# KiCad board Zx50 Bus Probe_RevA.kicad_pcb
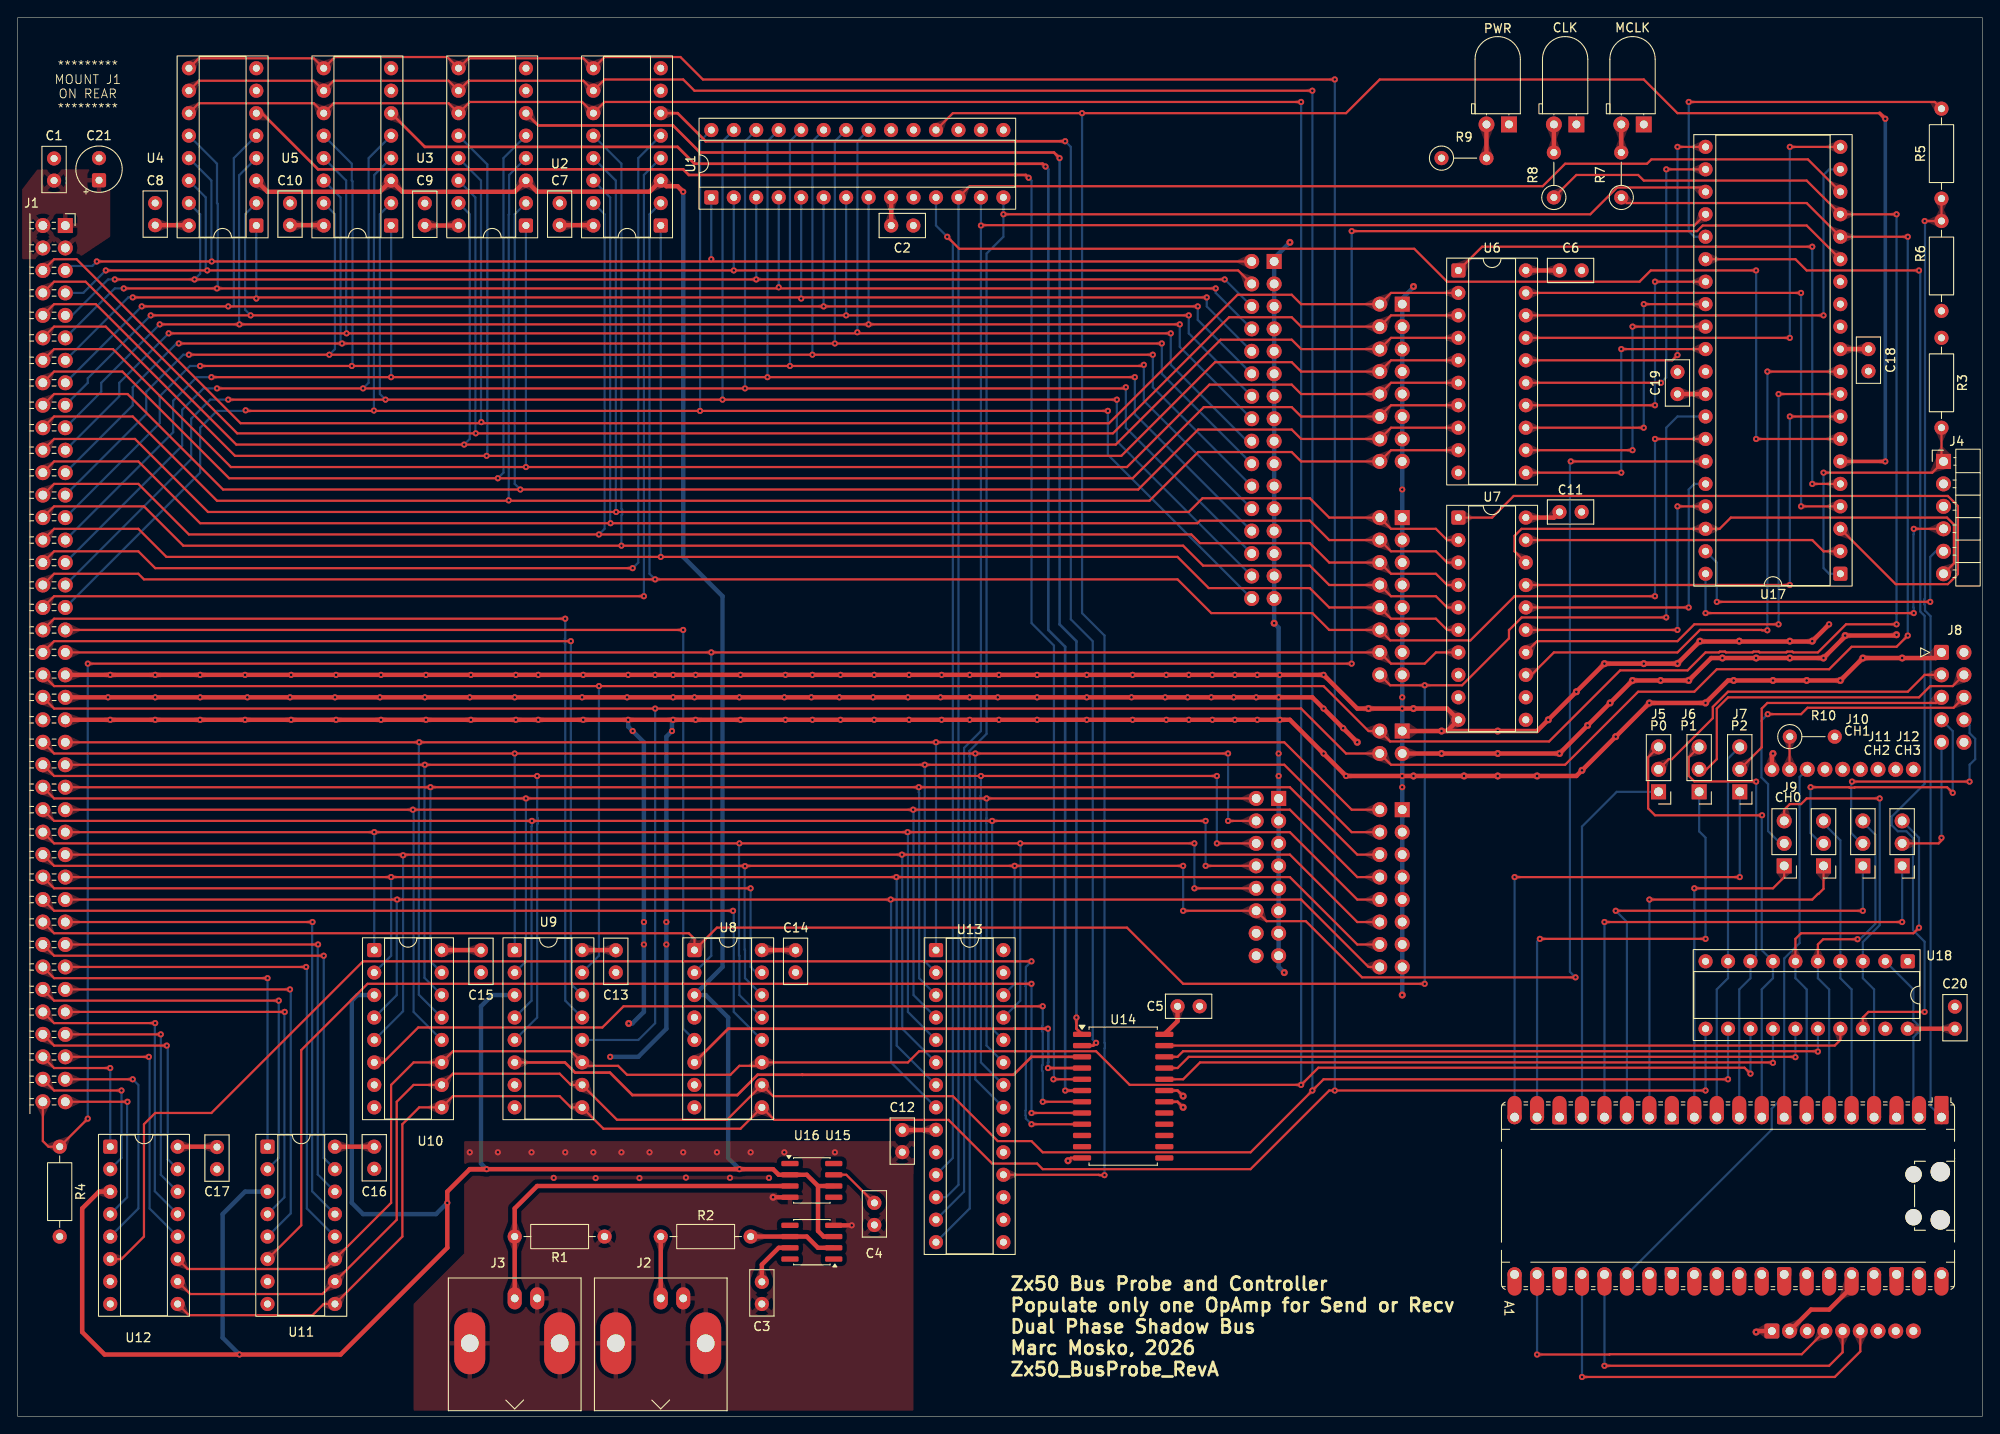
[diagram p0: board, top side]
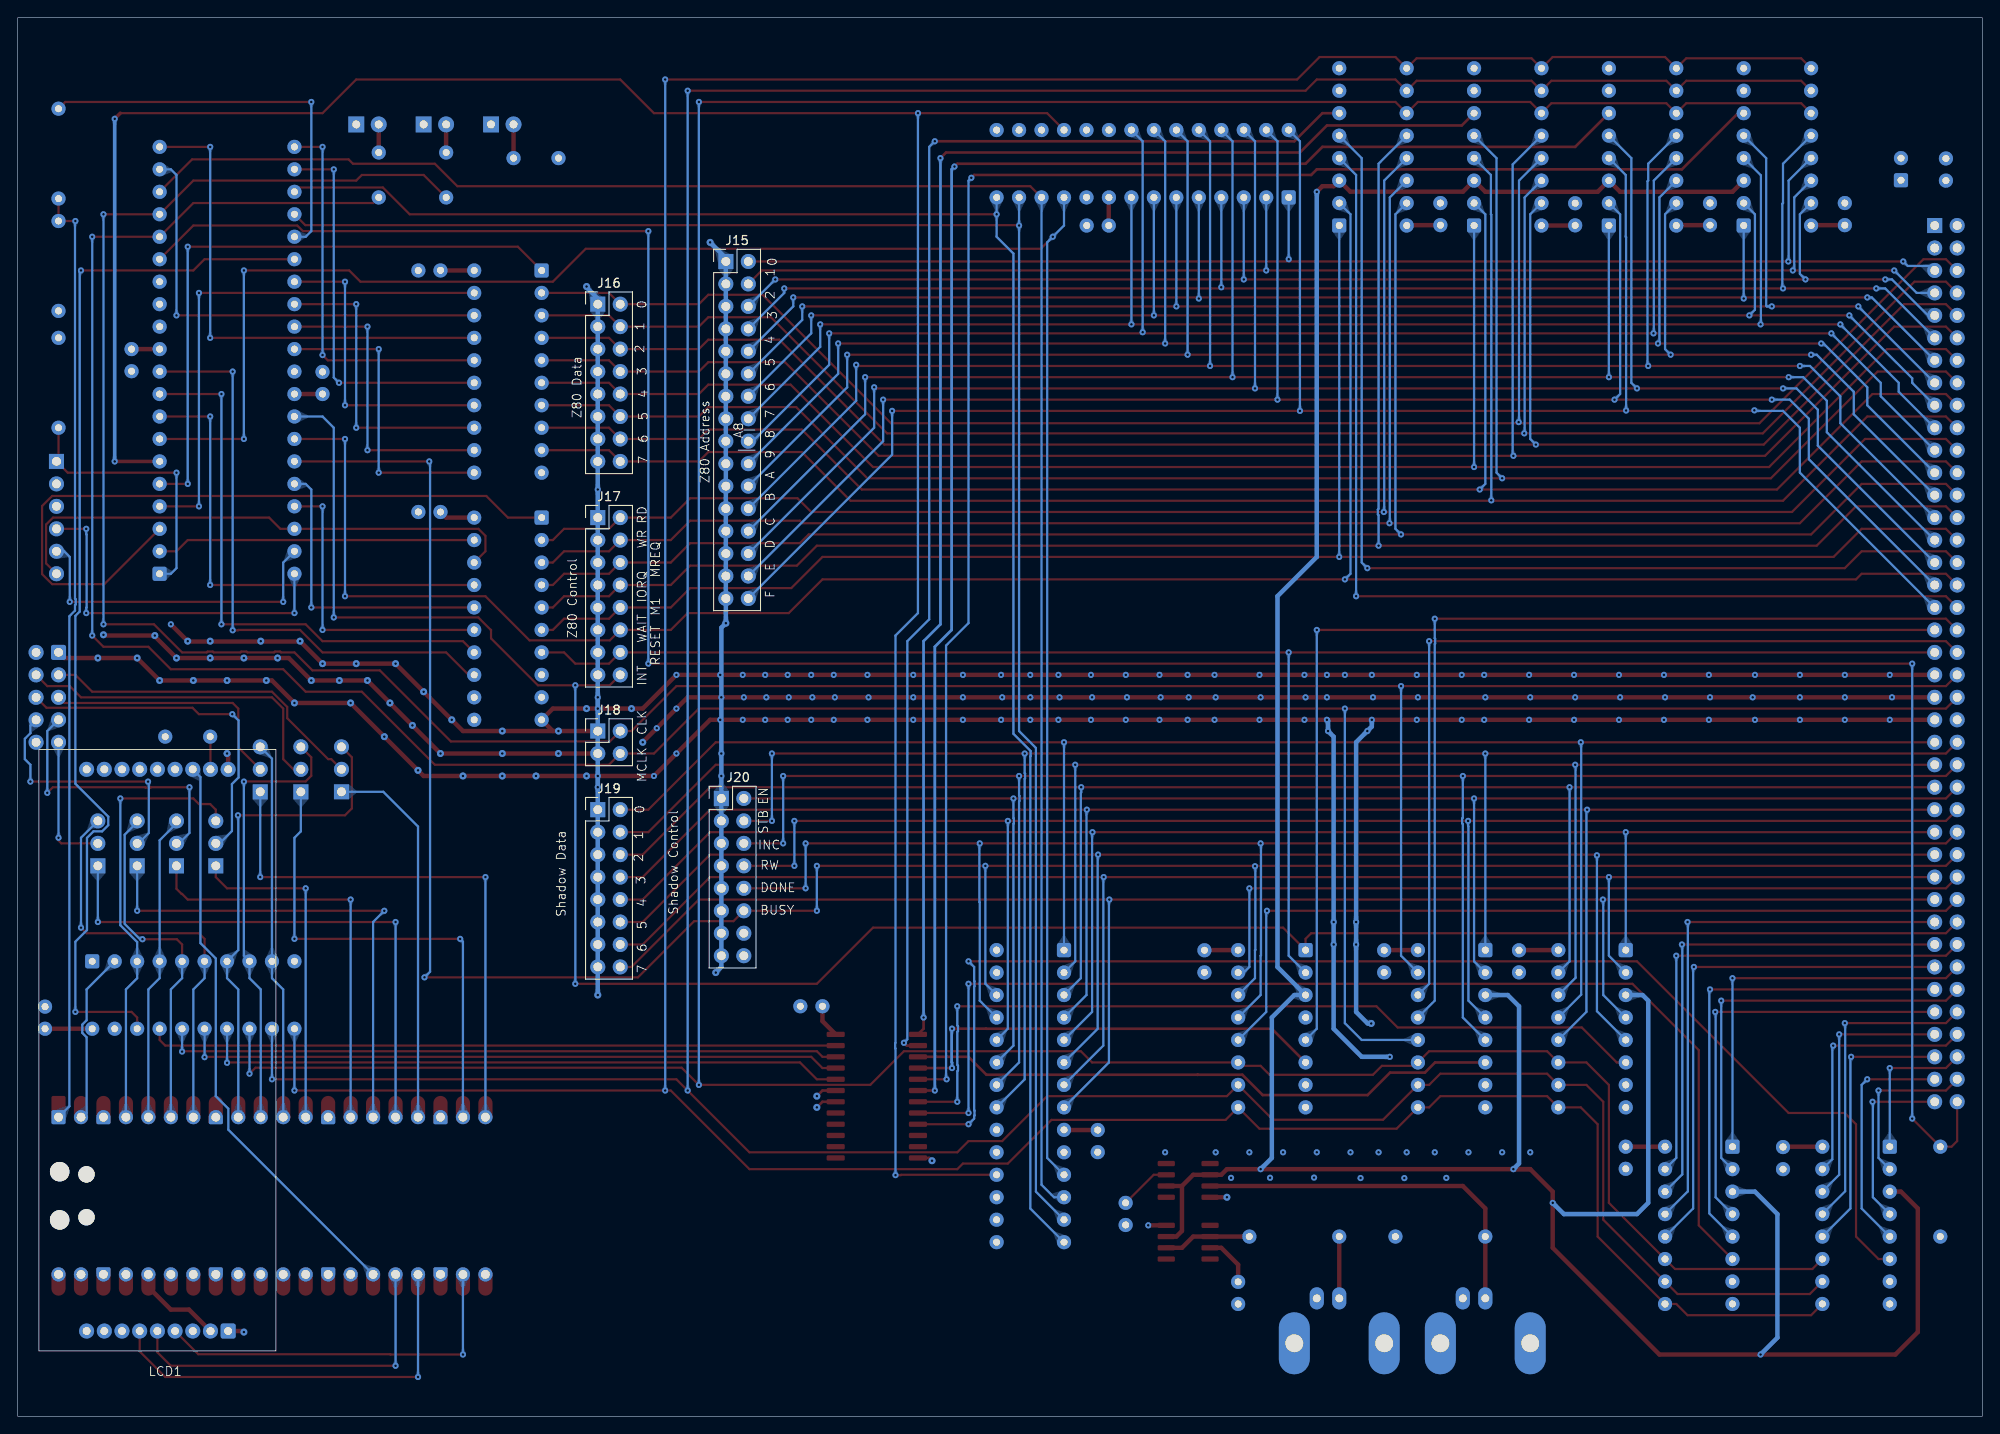
[diagram p1: board, bottom side, seen from below]

Outline 222.09 x 158.11 mm; copper layers: Top, GND (plane), +5 (plane), Bottom. Coordinates in mm from the lower left corner of the outline.
Outline path: rectangle 0,158.11 222.09,0
Stack: Top 0.035mm / dielectric 0.1mm FR4 er 4.5 / GND 0.035mm / dielectric 1.24mm FR4 er 4.5 / +5 0.035mm / dielectric 0.1mm FR4 er 4.5 / Bottom 0.035mm

## Placement (name value [footprint] x y rotation side)
A1  RaspberryPi_Pico  [RaspberryPi_Pico_Common_Unspecified]  193.34 24.93 270 top
C1  .1uF  [C_Disc_D5.0mm_W2.5mm_P2.50mm]  4.11 139.7 90 top
C2  .1uF  [C_Disc_D5.0mm_W2.5mm_P2.50mm]  98.75 134.62 0 top
C3  .1uF  [C_Disc_D5.0mm_W2.5mm_P2.50mm]  84.12 15.2 270 top
C4  .1uF  [C_Disc_D5.0mm_W2.5mm_P2.50mm]  96.84 24.13 270 top
C5  .1uF  [C_Disc_D5.0mm_W2.5mm_P2.50mm]  133.61 46.35 180 top
C6  .1uF  [C_Disc_D5.0mm_W2.5mm_P2.50mm]  174.29 129.54 0 top
C7  .1uF  [C_Disc_D5.0mm_W2.5mm_P2.50mm]  61.26 137.16 270 top
C8  .1uF  [C_Disc_D5.0mm_W2.5mm_P2.50mm]  15.54 137.16 270 top
C9  .1uF  [C_Disc_D5.0mm_W2.5mm_P2.50mm]  46.02 137.14 270 top
C10  .1uF  [C_Disc_D5.0mm_W2.5mm_P2.50mm]  30.78 137.16 270 top
C11  .1uF  [C_Disc_D5.0mm_W2.5mm_P2.50mm]  174.29 102.23 0 top
C12  .1uF  [C_Disc_D5.0mm_W2.5mm_P2.50mm]  100 32.36 270 top
C13  .1uF  [C_Disc_D5.0mm_W2.5mm_P2.50mm]  67.61 50.18 90 top
C14  .1uF  [C_Disc_D5.0mm_W2.5mm_P2.50mm]  87.93 50.18 90 top
C15  .1uF  [C_Disc_D5.0mm_W2.5mm_P2.50mm]  52.37 50.18 90 top
C16  .1uF  [C_Disc_D5.0mm_W2.5mm_P2.50mm]  40.31 27.98 90 top
C17  .1uF  [C_Disc_D5.0mm_W2.5mm_P2.50mm]  22.53 27.94 90 top
C18  .1uF  [C_Disc_D5.0mm_W2.5mm_P2.50mm]  209.22 120.65 270 top
C19  .1uF  [C_Disc_D5.0mm_W2.5mm_P2.50mm]  187.63 115.57 90 top
C20  .1uF  [C_Disc_D5.0mm_W2.5mm_P2.50mm]  219 46.31 270 top
C21  10uF  [CP_Radial_Tantal_D5.0mm_P2.50mm]  9.19 139.74 90 top
D1  MCLK  [LED_D5.0mm_Horizontal_O1.27mm_Z3.0mm]  183.82 146.05 180 top
D2  CLK  [LED_D5.0mm_Horizontal_O1.27mm_Z3.0mm]  176.2 146.05 180 top
D3  PWR  [LED_D5.0mm_Horizontal_O1.27mm_Z3.0mm]  168.58 146.05 180 top
J1  Zx50_EdgeConnector  [PinSocket_2x40_P2.54mm_Horizontal_Edge]  5.38 134.62 0 top
J2  OUT  [BNC_Amphenol_B6252HB-NPP3G-50_Horizontal]  72.69 13.34 180 top
J3  IN  [BNC_Amphenol_B6252HB-NPP3G-50_Horizontal]  56.18 13.34 180 top
J4  PIC PGM  [PinHeader_1x06_P2.54mm_Horizontal_EDGE]  217.7 107.95 0 top
J5  P0  [PinHeader_1x03_P2.54mm_Vertical]  185.49 70.6 180 top
J6  P1  [PinHeader_1x03_P2.54mm_Vertical]  190.08 70.6 180 top
J7  P2  [PinHeader_1x03_P2.54mm_Vertical]  194.67 70.6 180 top
J8  Send/Recv Card  [IDC-Header_2x05_P2.54mm_Horizontal_Edge]  217.47 86.36 0 top
J9  CH0  [PinHeader_1x03_P2.54mm_Vertical]  199.69 62.23 180 top
J10  CH1  [PinHeader_1x03_P2.54mm_Vertical]  204.14 62.23 180 top
J11  CH2  [PinHeader_1x03_P2.54mm_Vertical]  208.58 62.23 180 top
J12  CH3  [PinHeader_1x03_P2.54mm_Vertical]  213.03 62.23 180 top
J15  Z80_Addr  [PinHeader_2x16_P2.54mm_Vertical_Row_Letter_Last]  142.04 130.56 180 bottom
J16  Z80_Data  [PinHeader_2x08_P2.54mm_Vertical_Row_Letter_Last]  156.51 125.73 180 bottom
J17  Z80_Ctrl  [PinHeader_2x08_P2.54mm_Vertical_Row_Letter_Last]  156.51 101.6 180 bottom
J18  Clock  [PinHeader_2x02_P2.54mm_Vertical_Row_Letter_Last]  156.51 77.47 180 bottom
J19  SH_Data  [PinHeader_2x08_P2.54mm_Vertical_Row_Letter_Last]  156.51 68.58 180 bottom
J20  SH_Ctrl  [PinHeader_2x08_P2.54mm_Vertical_Row_Letter_Last]  142.54 69.85 180 bottom
LCD1  EA 205G-4NLED  [EA_DIG205G-4NLED]  206.3 41.39 90 bottom
R1  49.9R 1W 1%  [R_Axial_DIN0207_L6.3mm_D2.5mm_P10.16mm_Horizontal]  66.34 20.32 180 top
R2  49.9R 1W 1%  [R_Axial_DIN0207_L6.3mm_D2.5mm_P10.16mm_Horizontal]  72.69 20.32 0 top
R3  10k  [R_Axial_DIN0207_L6.3mm_D2.5mm_P10.16mm_Horizontal]  217.47 121.92 270 top
R4  10K  [R_Axial_DIN0207_L6.3mm_D2.5mm_P10.16mm_Horizontal]  4.75 30.48 270 top
R5  2.2k  [R_Axial_DIN0207_L6.3mm_D2.5mm_P10.16mm_Horizontal]  217.47 137.67 90 top
R6  3.3k  [R_Axial_DIN0207_L6.3mm_D2.5mm_P10.16mm_Horizontal]  217.47 124.97 90 top
R7  2.2K  [R_Axial_DIN0207_L6.3mm_D2.5mm_P5.08mm_Vertical]  181.27 137.79 90 top
R8  2.2K  [R_Axial_DIN0207_L6.3mm_D2.5mm_P5.08mm_Vertical]  173.65 137.79 90 top
R9  470  [R_Axial_DIN0207_L6.3mm_D2.5mm_P5.08mm_Vertical]  160.95 142.24 0 top
R10  33R  [R_Axial_DIN0207_L6.3mm_D2.5mm_P5.08mm_Vertical]  200.33 76.83 0 top
U1  MCP23S17_SP  [DIP-28_W7.62mm_Socket]  78.41 137.79 90 top
U2  CD74HC4051E  [DIP-16_W7.62mm_Socket]  72.69 134.62 180 top
U3  CD74HC4051E  [DIP-16_W7.62mm_Socket]  57.45 134.62 180 top
U4  CD74HC4051E  [DIP-16_W7.62mm_Socket]  26.97 134.62 180 top
U5  CD74HC4051E  [DIP-16_W7.62mm_Socket]  42.21 134.62 180 top
U6  SN74ABT245BN  [DIP-20_W7.62mm_Socket]  162.86 129.54 0 top
U7  SN74ABT245BN  [DIP-20_W7.62mm_Socket]  162.86 101.6 0 top
U8  CD74HC4051E  [DIP-16_W7.62mm_Socket]  76.5 52.7 0 top
U9  CD74HC4051E  [DIP-16_W7.62mm_Socket]  56.18 52.7 0 top
U10  CD74HC4051E  [DIP-16_W7.62mm_Socket]  40.31 52.7 0 top
U11  CD74HC4051E  [DIP-16_W7.62mm_Socket]  28.24 30.48 0 top
U12  CD74HC4051E  [DIP-16_W7.62mm_Socket]  10.46 30.48 0 top
U13  MCP23S17_SP  [DIP-28_W7.62mm_Socket]  103.81 52.7 0 top
U14  CD74HC154M96  [SOIC-24W_7.5x15.4mm_P1.27mm]  124.97 36.19 0 top
U15  OPA356xxD  [SOIC-8_3.9x4.9mm_P1.27mm]  89.77 19.69 180 top
U16  OPA356xxD  [SOIC-8_3.9x4.9mm_P1.27mm]  89.77 26.67 0 top
U17  PIC18F4620-I_P  [DIP-40_W15.24mm_Socket]  206.04 95.25 180 top
U18  74AHCT541  [DIP-20_W7.62mm_Socket]  213.66 51.43 270 top

## Library data of the parts
A1 = -: Datasheet: https://datasheets.raspberrypi.com/pico/pico-datasheet.pdf; Description: Versatile and inexpensive microcontroller module powered by RP2040 dual-core Arm Cortex-M0+ processor up to 133 MHz, 264kB SRAM, 2MB QSPI flash; also supports Raspberry Pi Pico 2; ki_fp_filters: RaspberryPi?Pico?Common* RaspberryPi?Pico?SMD*
C1-C20 = -: Description: Unpolarized capacitor, small symbol; ki_fp_filters: C_*
C21 = -: Description: Polarized capacitor, small US symbol; ki_fp_filters: CP_*
D1-D3 = -: Description: Light emitting diode; Sim.Pins: 1=K 2=A; ki_fp_filters: LED* LED_SMD:* LED_THT:*
J1 = -: Description: Generic connector, double row, 02x40, odd/even pin numbering scheme (row 1 odd numbers, row 2 even numbers), script generated (kicad-library-utils/schlib/autogen/connector/); ki_fp_filters: Connector*:*_2x??_*
J2 J3 = -: Description: coaxial connector (BNC, SMA, SMB, SMC, Cinch/RCA, LEMO, ...); ki_fp_filters: *BNC* *SMA* *SMB* *SMC* *Cinch* *LEMO* *UMRF* *MCX* *U.FL*
J4 = -: Description: Generic connector, single row, 01x06, script generated; ki_fp_filters: Connector*:*_1x??_*
J5-J7 J9-J12 = -: Description: Generic connector, single row, 01x03, script generated (kicad-library-utils/schlib/autogen/connector/); ki_fp_filters: Connector*:*_1x??_*
J8 = -: Description: Generic connector, double row, 02x05, odd/even pin numbering scheme (row 1 odd numbers, row 2 even numbers), script generated (kicad-library-utils/schlib/autogen/connector/); ki_fp_filters: Connector*:*_2x??_*
J15 = -: Description: Generic connector, double row, 02x16, row letter last pin numbering scheme (pin number consists of a letter for the row and a number for the pin index in this row. 1a, ..., Na; 1b, ..., Nb)), script generated (kicad-library-utils/schlib/autogen/connector/); ki_fp_filters: Connector*:*_2x??_*
J16 J17 J19 J20 = -: Description: Generic connector, double row, 02x08, row letter last pin numbering scheme (pin number consists of a letter for the row and a number for the pin index in this row. 1a, ..., Na; 1b, ..., Nb)), script generated (kicad-library-utils/schlib/autogen/connector/); ki_fp_filters: Connector*:*_2x??_*
J18 = -: Description: Generic connector, double row, 02x02, row letter last pin numbering scheme (pin number consists of a letter for the row and a number for the pin index in this row. 1a, ..., Na; 1b, ..., Nb)), script generated (kicad-library-utils/schlib/autogen/connector/); ki_fp_filters: Connector*:*_2x??_*
LCD1 = -: Datasheet: https://mm.digikey.com/Volume0/opasdata/d220001/medias/docus/6592/dip2054epreliminary.pdf; Description: Character Display Module 5 x 8 Dots w/Cursor LCD
R1 R2 R4 R7-R9 = -: Description: Resistor; ki_fp_filters: R_*
R3 R5 R6 R10 = -: Description: Resistor, small symbol; ki_fp_filters: R_*
U1 U13 = -: Datasheet: http://ww1.microchip.com/downloads/en/DeviceDoc/20001952C.pdf; Description: 16-bit I/O expander, SPI, interrupts, w pull-ups, SPDIP-28; ki_fp_filters: DIP*W7.62mm*
U2-U5 U8-U12 = -: Datasheet: http://www.ti.com/lit/ds/symlink/cd74hc4051.pdf; Description: 8-channel analog multiplexer/demultiplexer, DIP-16/SOIC-16/TSSOP-16; ki_fp_filters: DIP*W7.62mm* SOIC*3.9x9.9mm*P1.27mm* SOIC*5.3x10.2mm*P1.27mm* TSSOP*4.4x5mm*P0.65mm*
U6 U7 = -: Datasheet: https://www.ti.com/lit/gpn/sn74abt245b; ki_fp_filters: N20
U14 = -: Datasheet: http://www.ti.com/lit/gpn/sn74HC154; Description: Decoder 4 to 16; ki_fp_filters: DIP?24*
U15 U16 = -: Datasheet: http://www.ti.com/lit/ds/symlink/opa356.pdf; Description: Single High Speed CMOS Operational Amplifier, SOIC-8; ki_fp_filters: SOIC*3.9x4.9mm*P1.27mm*
U17 = -: PARTREV: E; STANDARD: IPC 7351B; MAXIMUM_PACKAGE_HEIGHT: 6.35 mm; MANUFACTURER: Microchip
U18 = -: Datasheet: https://www.ti.com/lit/ds/symlink/sn74ahct541.pdf; Description: 8-bit Buffer/Line Driver 3-state outputs; ki_fp_filters: DIP?20* SOIC*7.5x12.8mm*P1.27mm* TSSOP*4.4x6.5mm*P0.65mm* SSOP*4.4x6.5mm*P0.65mm*

## Footprints (pads in the part's own frame, mm; a bottom-side part is the same pattern mirrored in y, then rotated)
BNC_Amphenol_B6252HB-NPP3G-50_Horizontal
  oval 1.6x2.5 hole 0.89: 1(0,0) 2(-2.54,0)
  oval 3.5x7 hole 2.01: 2(-5.08,5.08) 2(5.08,5.08)
C_Disc_D5.0mm_W2.5mm_P2.50mm
  round 1.6 hole 0.8: 1(0,0) 2(2.5,0)
CP_Radial_Tantal_D5.0mm_P2.50mm
  rrect 1.6x1.6 hole 0.8: 1(0,0)
  round 1.6 hole 0.8: 2(2.5,0)
DIP-16_W7.62mm_Socket
  rrect 1.6x1.6 hole 0.8: 1(0,0)
  round 1.6 hole 0.8: 2(0,-2.54) 3(0,-5.08) 4(0,-7.62) 5(0,-10.16) 6(0,-12.7) 7(0,-15.24) 8(0,-17.78) 9(7.62,-17.78) 10(7.62,-15.24) 11(7.62,-12.7) 12(7.62,-10.16) 13(7.62,-7.62) 14(7.62,-5.08) 15(7.62,-2.54) 16(7.62,0)
DIP-20_W7.62mm_Socket
  rrect 1.6x1.6 hole 0.8: 1(0,0)
  round 1.6 hole 0.8: 2(0,-2.54) 3(0,-5.08) 4(0,-7.62) 5(0,-10.16) 6(0,-12.7) 7(0,-15.24) 8(0,-17.78) 9(0,-20.32) 10(0,-22.86) 11(7.62,-22.86) 12(7.62,-20.32) 13(7.62,-17.78) 14(7.62,-15.24) 15(7.62,-12.7) 16(7.62,-10.16) 17(7.62,-7.62) 18(7.62,-5.08) 19(7.62,-2.54) 20(7.62,0)
DIP-28_W7.62mm_Socket
  rrect 1.6x1.6 hole 0.8: 1(0,0)
  round 1.6 hole 0.8: 2(0,-2.54) 3(0,-5.08) 4(0,-7.62) 5(0,-10.16) 6(0,-12.7) 7(0,-15.24) 8(0,-17.78) 9(0,-20.32) 10(0,-22.86) 11(0,-25.4) 12(0,-27.94) 13(0,-30.48) 14(0,-33.02) 15(7.62,-33.02) 16(7.62,-30.48) 17(7.62,-27.94) 18(7.62,-25.4) 19(7.62,-22.86) 20(7.62,-20.32) 21(7.62,-17.78) 22(7.62,-15.24) 23(7.62,-12.7) 24(7.62,-10.16) 25(7.62,-7.62) 26(7.62,-5.08) 27(7.62,-2.54) 28(7.62,0)
DIP-40_W15.24mm_Socket
  rrect 1.6x1.6 hole 0.8: 1(0,0)
  round 1.6 hole 0.8: 2(0,-2.54) 3(0,-5.08) 4(0,-7.62) 5(0,-10.16) 6(0,-12.7) 7(0,-15.24) 8(0,-17.78) 9(0,-20.32) 10(0,-22.86) 11(0,-25.4) 12(0,-27.94) 13(0,-30.48) 14(0,-33.02) 15(0,-35.56) 16(0,-38.1) 17(0,-40.64) 18(0,-43.18) 19(0,-45.72) 20(0,-48.26) 21(15.24,-48.26) 22(15.24,-45.72) 23(15.24,-43.18) 24(15.24,-40.64) 25(15.24,-38.1) 26(15.24,-35.56) 27(15.24,-33.02) 28(15.24,-30.48) 29(15.24,-27.94) 30(15.24,-25.4) 31(15.24,-22.86) 32(15.24,-20.32) 33(15.24,-17.78) 34(15.24,-15.24) 35(15.24,-12.7) 36(15.24,-10.16) 37(15.24,-7.62) 38(15.24,-5.08) 39(15.24,-2.54) 40(15.24,0)
EA_DIG205G-4NLED
  rrect 1.7x1.7 hole 0.9: 1(-31.75,-8)
  round 1.7 hole 0.9: 2(-31.75,-6) 3(-31.75,-4) 4(-31.75,-2) 5(-31.75,0) 6(-31.75,2) 7(-31.75,4) 8(-31.75,6) 9(-31.75,8) 10(31.75,8) 11(31.75,6) 12(31.75,4) 13(31.75,2) 14(31.75,0) 15(31.75,-2) 16(31.75,-4) 17(31.75,-6) 18(31.75,-8)
IDC-Header_2x05_P2.54mm_Horizontal_Edge
  rrect 1.7x1.7 hole 1: 1(0,0)
  round 1.7 hole 1: 2(2.54,0) 3(0,-2.54) 4(2.54,-2.54) 5(0,-5.08) 6(2.54,-5.08) 7(0,-7.62) 8(2.54,-7.62) 9(0,-10.16) 10(2.54,-10.16)
LED_D5.0mm_Horizontal_O1.27mm_Z3.0mm
  rect 1.8x1.8 hole 0.9: 1(0,0)
  round 1.8 hole 0.9: 2(2.54,0)
PinHeader_1x03_P2.54mm_Vertical
  rect 1.7x1.7 hole 1: 1(0,0)
  round 1.7 hole 1: 2(0,-2.54) 3(0,-5.08)
PinHeader_1x06_P2.54mm_Horizontal_EDGE
  rect 1.7x1.7 hole 1: 1(0,0)
  round 1.7 hole 1: 2(0,-2.54) 3(0,-5.08) 4(0,-7.62) 5(0,-10.16) 6(0,-12.7)
PinHeader_2x02_P2.54mm_Vertical_Row_Letter_Last
  rect 1.7x1.7 hole 1: 1a(0,0)
  round 1.7 hole 1: 1b(2.54,0) 2a(0,-2.54) 2b(2.54,-2.54)
PinHeader_2x08_P2.54mm_Vertical_Row_Letter_Last
  rect 1.7x1.7 hole 1: 1a(0,0)
  round 1.7 hole 1: 1b(2.54,0) 2a(0,-2.54) 2b(2.54,-2.54) 3a(0,-5.08) 3b(2.54,-5.08) 4a(0,-7.62) 4b(2.54,-7.62) 5a(0,-10.16) 5b(2.54,-10.16) 6a(0,-12.7) 6b(2.54,-12.7) 7a(0,-15.24) 7b(2.54,-15.24) 8a(0,-17.78) 8b(2.54,-17.78)
PinHeader_2x16_P2.54mm_Vertical_Row_Letter_Last
  rect 1.7x1.7 hole 1: 1a(0,0)
  round 1.7 hole 1: 1b(2.54,0) 2a(0,-2.54) 2b(2.54,-2.54) 3a(0,-5.08) 3b(2.54,-5.08) 4a(0,-7.62) 4b(2.54,-7.62) 5a(0,-10.16) 5b(2.54,-10.16) 6a(0,-12.7) 6b(2.54,-12.7) 7a(0,-15.24) 7b(2.54,-15.24) 8a(0,-17.78) 8b(2.54,-17.78) 9a(0,-20.32) 9b(2.54,-20.32) 10a(0,-22.86) 10b(2.54,-22.86) 11a(0,-25.4) 11b(2.54,-25.4) 12a(0,-27.94) 12b(2.54,-27.94) 13a(0,-30.48) 13b(2.54,-30.48) 14a(0,-33.02) 14b(2.54,-33.02) 15a(0,-35.56) 15b(2.54,-35.56) 16a(0,-38.1) 16b(2.54,-38.1)
PinSocket_2x40_P2.54mm_Horizontal_Edge
  rect 1.7x1.7 hole 1: 1(0,0)
  round 1.7 hole 1: 2(-2.54,0) 3(0,-2.54) 4(-2.54,-2.54) 5(0,-5.08) 6(-2.54,-5.08) 7(0,-7.62) 8(-2.54,-7.62) 9(0,-10.16) 10(-2.54,-10.16) 11(0,-12.7) 12(-2.54,-12.7) 13(0,-15.24) 14(-2.54,-15.24) 15(0,-17.78) 16(-2.54,-17.78) 17(0,-20.32) 18(-2.54,-20.32) 19(0,-22.86) 20(-2.54,-22.86) 21(0,-25.4) 22(-2.54,-25.4) 23(0,-27.94) 24(-2.54,-27.94) 25(0,-30.48) 26(-2.54,-30.48) 27(0,-33.02) 28(-2.54,-33.02) 29(0,-35.56) 30(-2.54,-35.56) 31(0,-38.1) 32(-2.54,-38.1) 33(0,-40.64) 34(-2.54,-40.64) 35(0,-43.18) 36(-2.54,-43.18) 37(0,-45.72) 38(-2.54,-45.72) 39(0,-48.26) 40(-2.54,-48.26) 41(0,-50.8) 42(-2.54,-50.8) 43(0,-53.34) 44(-2.54,-53.34) 45(0,-55.88) 46(-2.54,-55.88) 47(0,-58.42) 48(-2.54,-58.42) 49(0,-60.96) 50(-2.54,-60.96) 51(0,-63.5) 52(-2.54,-63.5) 53(0,-66.04) 54(-2.54,-66.04) 55(0,-68.58) 56(-2.54,-68.58) 57(0,-71.12) 58(-2.54,-71.12) 59(0,-73.66) 60(-2.54,-73.66) 61(0,-76.2) 62(-2.54,-76.2) 63(0,-78.74) 64(-2.54,-78.74) 65(0,-81.28) 66(-2.54,-81.28) 67(0,-83.82) 68(-2.54,-83.82) 69(0,-86.36) 70(-2.54,-86.36) 71(0,-88.9) 72(-2.54,-88.9) 73(0,-91.44) 74(-2.54,-91.44) 75(0,-93.98) 76(-2.54,-93.98) 77(0,-96.52) 78(-2.54,-96.52) 79(0,-99.06) 80(-2.54,-99.06)
R_Axial_DIN0207_L6.3mm_D2.5mm_P5.08mm_Vertical
  round 1.6 hole 0.8: 1(0,0) 2(5.08,0)
R_Axial_DIN0207_L6.3mm_D2.5mm_P10.16mm_Horizontal
  round 1.6 hole 0.8: 1(0,0) 2(10.16,0)
RaspberryPi_Pico_Common_Unspecified
  round 2.2 hole 2.2 unplated: (-2.725,24) (2.725,24)
  round 1.85 hole 1.85 unplated: (-2.425,20.97) (2.425,20.97)
  custom 3.2x1.6 smd: 1(-9.69,24.13) 3(-9.69,19.05) 8(-9.69,6.35) 13(-9.69,-6.35) 18(-9.69,-19.05) 23(9.69,-19.05) 28(9.69,-6.35) 33(9.69,6.35) 38(9.69,19.05)
  rrect 1.6x1.6 hole 1: 1(-8.89,24.13)
  rrect 3.2x1.6 smd: 2(-9.69,21.59) 4(-9.69,16.51) 5(-9.69,13.97) 6(-9.69,11.43) 7(-9.69,8.89) 9(-9.69,3.81) 10(-9.69,1.27) 11(-9.69,-1.27) 12(-9.69,-3.81) 14(-9.69,-8.89) 15(-9.69,-11.43) 16(-9.69,-13.97) 17(-9.69,-16.51) 19(-9.69,-21.59) 20(-9.69,-24.13) 21(9.69,-24.13) 22(9.69,-21.59) 24(9.69,-16.51) 25(9.69,-13.97) 26(9.69,-11.43) 27(9.69,-8.89) 29(9.69,-3.81) 30(9.69,-1.27) 31(9.69,1.27) 32(9.69,3.81) 34(9.69,8.89) 35(9.69,11.43) 36(9.69,13.97) 37(9.69,16.51) 39(9.69,21.59) 40(9.69,24.13)
  round 1.6 hole 1: 2(-8.89,21.59) 4(-8.89,16.51) 5(-8.89,13.97) 6(-8.89,11.43) 7(-8.89,8.89) 9(-8.89,3.81) 10(-8.89,1.27) 11(-8.89,-1.27) 12(-8.89,-3.81) 14(-8.89,-8.89) 15(-8.89,-11.43) 16(-8.89,-13.97) 17(-8.89,-16.51) 19(-8.89,-21.59) 20(-8.89,-24.13) 21(8.89,-24.13) 22(8.89,-21.59) 24(8.89,-16.51) 25(8.89,-13.97) 26(8.89,-11.43) 27(8.89,-8.89) 29(8.89,-3.81) 30(8.89,-1.27) 31(8.89,1.27) 32(8.89,3.81) 34(8.89,8.89) 35(8.89,11.43) 36(8.89,13.97) 37(8.89,16.51) 39(8.89,21.59) 40(8.89,24.13)
  custom 1.6x1.6 hole 1: 3(-8.89,19.05) 8(-8.89,6.35) 13(-8.89,-6.35) 18(-8.89,-19.05) 23(8.89,-19.05) 28(8.89,-6.35) 33(8.89,6.35) 38(8.89,19.05)
SOIC-8_3.9x4.9mm_P1.27mm
  rrect 1.95x0.6 smd: 1(-2.475,1.905) 2(-2.475,0.635) 3(-2.475,-0.635) 4(-2.475,-1.905) 5(2.475,-1.905) 6(2.475,-0.635) 7(2.475,0.635) 8(2.475,1.905)
SOIC-24W_7.5x15.4mm_P1.27mm
  rrect 2.05x0.6 smd: 1(-4.65,6.985) 2(-4.65,5.715) 3(-4.65,4.445) 4(-4.65,3.175) 5(-4.65,1.905) 6(-4.65,0.635) 7(-4.65,-0.635) 8(-4.65,-1.905) 9(-4.65,-3.175) 10(-4.65,-4.445) 11(-4.65,-5.715) 12(-4.65,-6.985) 13(4.65,-6.985) 14(4.65,-5.715) 15(4.65,-4.445) 16(4.65,-3.175) 17(4.65,-1.905) 18(4.65,-0.635) 19(4.65,0.635) 20(4.65,1.905) 21(4.65,3.175) 22(4.65,4.445) 23(4.65,5.715) 24(4.65,6.985)
